# Altium PCB 400236.PcbDoc (part 3 of 5)
Units mm, origin at the board's own origin, x right, y up, seen from the top; angles counter-clockwise.
Board outline 136.53 x 63.5 mm, 4 copper layers (Top Layer, Mid-Layer 1, Mid-Layer 2, Bottom Layer), stack 1.505 mm thick; 340 components, 230 nets, 1369 pads, 1292 vias.
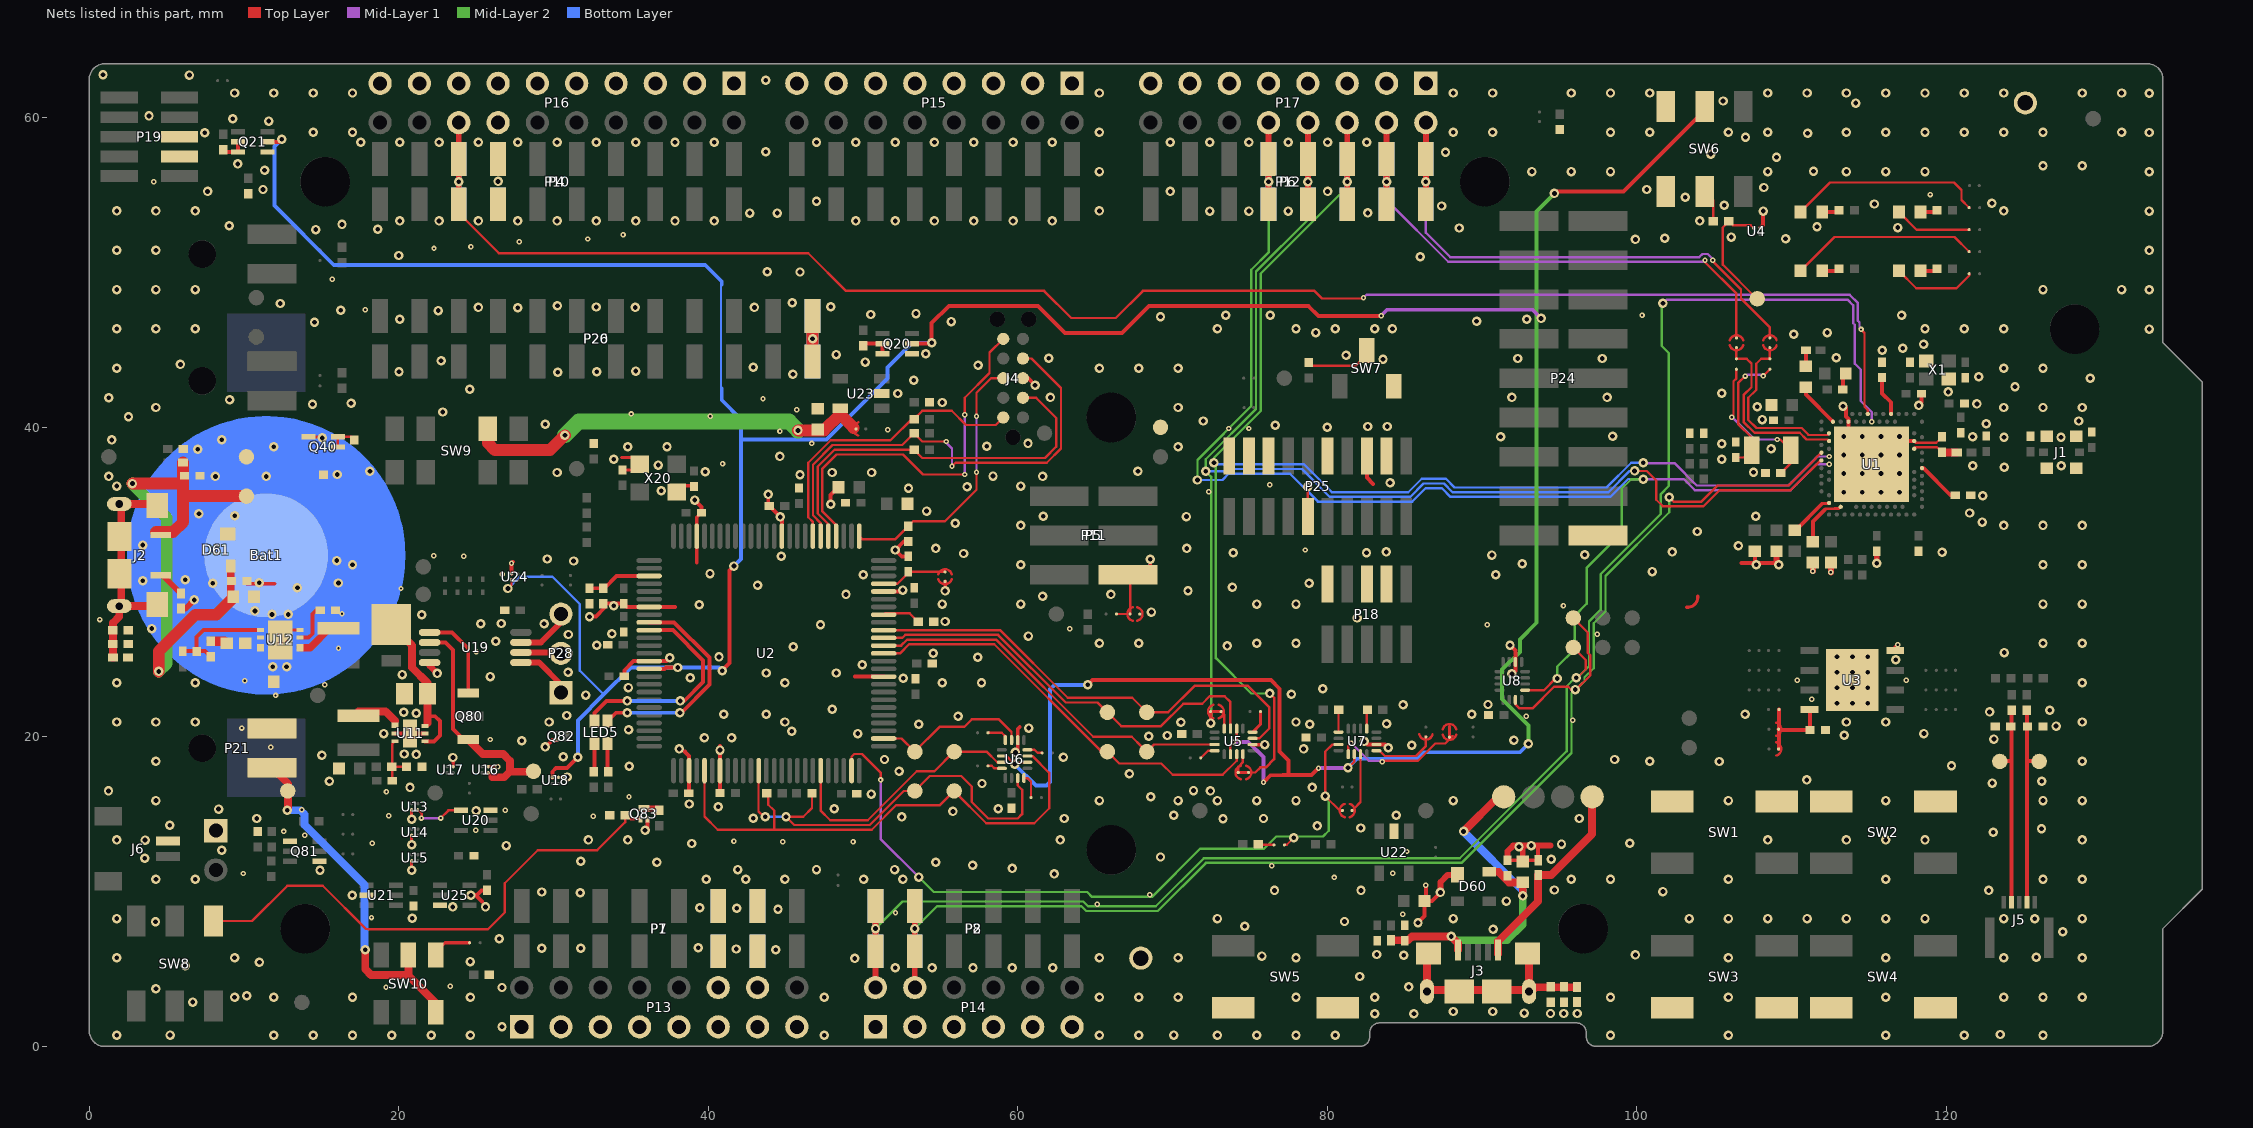
[diagram p5: the nets of this part, all layers, seen from the top]

## Via types
v1: diameter 0.61, hole 0.305, Top Layer to Bottom Layer, tented both sides, 1088 vias
v2: diameter 0.35, hole 0.15, Top Layer to Mid-Layer 1, tented both sides, 180 vias
v3: diameter 0.61, hole 0.305, Top Layer to Bottom Layer, 24 vias

## Nets (pads, with @x,y where several pads share a name; then routed paths per layer and width w, separated by ;. In a path a pad name is that pad's centre, name@x,y a point inside that pad or via, vN(x,y) a via of type N, cw(c..) or ccw(c..) an arc to the next point about the centre after c; other vN are vias at no path point) (continued)
GND: Bat1.2 C1.2 C2.2 C3.1 C4.1 C5.2 C6.2 C7.2 C8.2 C9.2 C10.1 C11.2 C12.2 C13.2 C14.2 C15.1 C16.2 C17.1 C18.1 C19.2 C20.2 C21.2 C22.2 C23.2 C24.1 C25.1 C26.1 C27.1 C28.1 C29.2 C30.2 C31.1 C32.2 C33.1 C34.1 C35.1 C36.1 C37.1 C38.1 C39.1 C40.1 C41.1 C42.1 C43.1 C44.1 C45.1 C46.2 C47.1 C48.1 C49.1 C50.1 C51.1 C52.2 C60.1 C61.1 C62.1 C63.2 C64.1 C65.1 C66.1 C67.1 C68.1 C69.1 C80.1 C82.1 C83.1 C84.1 C85.1 C86.1 C88.1 C89.1 C90.1 C91.1 C92.1 C93.1 D60.1 D61.1 FB62.2 FB63.2 FB64.2 FB65.2 J1.2 J4.3 J6.1 P1.6 P1.7 P4.7 P7.6 P7.7 P10.7 P13.1 P13.3 P13.5 P13.7 P13.9 P13.11 P13.12 P13.13 P13.14 P13.15 P14.1 P14.3 P14.5 P14.7 P14.9 P14.11 P15.1 P15.3 P15.5 P15.7 P15.9 P15.11 P15.13 P15.15 P16.1 P16.3 P16.5 P16.7 P16.9 P16.11 P16.13 P16.14 P16.15 P16.17 P16.19 P17.1 P17.3 P17.5 P17.7 P17.9 P17.11 P17.13 P17.15 P18.3 P18.5 P18.9 P19.3 P19.5 P21.1 P24.18 P25.3 P25.5 P25.9 P25.15 P25.17 P25.19 P27.1 Q20.1 Q21.1 Q40.1 Q81.1 Q81.4 Q82.2 Q83.2 R23.1 R25.1 R26.2 R27.1 R30.1 R40.2 R62.1 R63.1 R67.2 R81.1 R84.1 R85.2 R88.2 R92.2 R94.2 SB30.2 SB32.1 SW1.1 SW2.1 SW3.1 SW4.1 SW5.1 SW6.1 SW6.4 SW7.1 TP12.1 TP39.1 TP40.1 TP41.1 U1.74 U1.B7 U1.F23 U2.3 U2.7 U2.35 U2.46 U2.61 U2.72 U2.82 U2.89 U3.4 U3.9 U4.B1 U5.6 U6.6 U7.6 U8.6 U11.2 U11.5 U11.7 U12.4 U12.8 U12.9 U12.11 U13.B1 U14.B1 U15.B1 U16.B1 U17.B1 U18.B1 U19.4 U20.3 U21.2 U22.2 U23.2 U24.B1 U25.3 X1.2 X1.4 X20.2 X20.4 | length 91.7
  Top Layer w0.145: U1.F23@117.914,39.117 118.019,39.012 119.335,39.012 C3.1@119.715,39.393
  Top Layer w0.203: U12.11@12.344,25.984 U12.11@12.994,26.634 ; U12.11@12.994,26.914 U12.4@13.614,26.914 ; Q40.1@14.163,39.385 15.047,39.385 v3@15.062,39.37 ; v1(20.831,11.382) U15.B1@20.831,11.992 ; v1(20.831,13.033) U14.B1@20.831,13.643 ; v1(20.831,14.684) U13.B1@20.831,15.294 ; U17.B1@23.517,18.082 v1@23.517,18.691 ; U16.B1@25.778,18.082 v2(26.387,18.082) ; U18.B1@30.319,17.386 30.859,17.386 v1(30.884,17.412) ; 34.392,38.049 35.145,38.049 X20.2@35.575,37.619 35.21,37.254 C29.2@34.458,37.254 ; 103.207,28.382 ccw(c103.276,29.032) 103.927,29.1
  Top Layer w0.229: v1(43.866,35.67) 43.866,34.999 C34.1@43.94,34.925 ; v1(55.296,29.436) SB30.2@55.296,30.045 ; U5.6@75.157,19.507 v1(75.946,19.507)
  Top Layer w0.25: U11.2@19.751,20.218 U11.7@20.726,20.218 U11.5@21.701,20.218 ; U24.B1@27.283,30.553 v2(27.283,31.22) v2@27.381,31.318 ; v1(82.372,19.71) 82.572,19.51 U7.6@83.165,19.51 83.715,19.51 v1(83.922,19.304) ; P25.5@82.55,38.145 82.55,36.754 82.956,36.347 ; U4.B1@107.944,52.881 107.948,52.881 108.15,53.083 v1@108.15,53.997 ; v1@113.506,41.26 113.506,40.699 113.664,40.541 U1.B7@113.664,40.367 U1.74@113.664,39.117 ; U1.74@115.164,37.617 116.664,39.117 U1.F23@117.914,39.117
  Top Layer w0.254: C65.1@10.193,29.997 10.193,29.896 11.966,29.896 ; v1(24.663,9.779) 24.968,9.779 ; 25.375,9.373 24.968,9.779 ; C90.1@25.705,10.092 25.357,10.092 25.044,9.779 24.968,9.779 ; v1(29.464,19.355) 29.925,19.816 Q82.2@30.155,19.816 ; v1@32.451,27.788 32.731,27.788 33.289,28.346 33.289,28.608 C28.1@34.534,28.608 34.742,28.4 37.843,28.4 ; C25.1@34.604,23.9 C25.1@34.577,23.927 34.577,24.309 35.168,24.9 37.295,24.9 v1(37.516,25.121) ; v1(35.916,13.97) 36.064,14.119 Q83.2@36.064,14.687 ; X20.4@37.963,36.228 C30.2@39.081,36.228 ; 38.506,19.05 38.506,19.025 38.754,18.777 U2.3@38.754,17.825 ; C31.1@38.742,16.358 U2.3@38.742,17.813 ; v1(39.116,35.306) 39.555,34.867 C32.2@39.555,34.493 39.254,34.192 39.254,31.253 ; C33.1@40.75,16.383 40.754,16.388 U2.7@40.754,17.825 v1@40.754,19.418 ; C34.1@43.94,34.925 v1@44.6,34.265 ; U2.61@44.754,32.975 v1@44.754,34.055 ; v1(47.904,35.027) 47.904,35.635 C38.1@48.413,36.144 ; 49.481,23.9 U2.35@51.329,23.9 ; U2.46@51.329,29.4 52.479,29.4 v1(52.568,29.489) ; C44.1@52.924,31.666 52.5,31.666 v1(52.085,32.08) 52.627,32.622 R67.2@52.924,32.622 ; v1(59.842,18.999) 59.992,19.148 U6.6@59.992,19.792 59.992,20.52 60.122,20.65 ; J4.3@60.325,43.18 60.655,43.18 v1(61.112,42.723) ; v1(85.852,8.001) 86.273,8.422 C91.1@86.273,9.398 ; v2(86.36,10.414) 86.36,9.485 C91.1@86.273,9.398 ; v1(87.303,9.953) 86.748,9.398 C91.1@86.273,9.398 ; C62.1@91.632,12.032 92.544,12.032 FB62.2@93.65,12.032 ; v1(91.796,25.933) 92.148,25.581 U8.6@92.148,24.847 92.148,24.254 v1@91.973,24.079 ; FB62.2@93.614,12.033 93.614,12.979 ; 106.756,31.242 v1@109.093,31.242 ; C6.2@107.613,31.992 107.613,31.168 v1@107.664,31.117 ; C16.2@113.301,42.443 113.301,43.294 C15.1@113.489,43.481 ; U3.4@116.689,25.578 116.689,25.808 v2(116.84,25.959) ; v1(118.214,41.417) 118.389,41.592 C12.2@118.389,42.167
  Top Layer w0.381: FB63.2@5.933,28.304 6.231,28.304 v3(6.782,28.854) ; U19.4@21.993,24.806 21.993,24.591 v1(22.479,24.105) ; v1(87.303,9.953) 87.303,10.62 87.772,11.09 D60.1@88.402,11.09 ; C62.1@91.632,12.032 91.632,12.613 91.999,12.979 94.412,12.979 ; C61.1@92.544,12.032 C61.1@92.623,11.953 v1@92.623,12.979 ; C19.2@109.014,31.992 109.014,31.267 v1(109.164,31.117) ; v2@111.364,30.709 C20.2@111.364,31.267 ; v2@112.539,30.632 C21.2@112.539,31.267 ; C7.2@115.49,31.992 115.49,31.221 v1(115.494,31.217)
  Top Layer w0.635: R81.1@7.899,26.179 C83.1@8.76,26.179
  other v1: 1.772,0.723 11.932,0.723 14.472,0.723 17.012,0.723 19.552,0.723 22.092,0.723 24.632,0.723 47.492,0.723 65.272,0.723 67.812,0.723 72.892,0.723 75.432,0.723 77.972,0.723 80.512,0.723 98.292,0.723 105.912,0.723 116.072,0.723 121.152,0.723 126.232,0.723 5.223,0.737 70.079,0.737 123.463,0.774 26.67,1.27 83.052,2.12 85.592,2.12 94.412,2.134 95.275,2.134 96.139,2.134 92.71,2.159 88.138,2.261 90.678,2.261 6.696,2.87 9.392,3.187 11.932,3.187 17.012,3.187 24.632,3.187 47.492,3.187 65.272,3.187 67.812,3.187 70.352,3.187 77.972,3.187 83.052,3.187 98.292,3.187 105.912,3.187 116.072,3.187 123.692,3.187 126.232,3.187 128.772,3.187 10.185,3.277 4.309,3.734 26.67,3.81 85.261,3.847 82.093,4.521 52.07,5.08 54.458,5.08 57.099,5.08 59.639,5.08 62.255,5.08 6.214,5.207 10.998,5.436 24.613,5.486 49.454,5.69 1.772,5.727 9.392,5.727 65.272,5.727 70.352,5.727 77.972,5.727 105.912,5.727 116.072,5.727 123.692,5.727 128.772,5.727 125.806,5.766 75.768,5.842 84.938,5.893 99.898,5.918 83.185,5.944 44.348,6.248 41.808,6.299 29.235,6.35 31.75,6.35 39.345,6.375 26.492,6.96 127.508,7.417 90.703,7.569 74.651,7.772 4.283,8.052 81.102,8.077 1.772,8.267 72.892,8.267 88.132,8.267 103.372,8.267 105.912,8.267 108.452,8.267 110.992,8.267 113.532,8.267 116.072,8.267 118.612,8.267 123.692,8.267 125.705,8.255 128.772,8.267 20.879,8.28 44.501,8.865 41.834,8.941 39.446,8.966 23.495,9.017 25.603,9.017 91.567,9.398 16.993,9.779 31.725,9.931 29.235,9.982 101.676,10.008 76.581,10.084 82.169,10.084 122.733,10.084 94.666,10.109 4.312,10.807 6.852,10.807 39.872,10.807 42.412,10.807 44.952,10.807 50.032,10.807 52.572,10.807 95.752,10.807 98.292,10.807 105.912,10.807 116.072,10.807 126.232,10.807 128.772,10.807 62.357,11.151 14.91,11.379 41.91,11.43 46.99,11.43 52.032,11.43 59.639,11.506 57.074,11.709 36.678,11.897 54.686,11.913 31.75,11.963 94.463,12.09 3.581,12.167 69.215,12.243 8.56,12.675 92.38,12.903 26.949,12.979 93.167,12.979 95.123,13.081 38.938,13.117 99.543,13.132 1.772,13.347 3.607,13.335 32.252,13.347 34.792,13.347 62.732,13.347 108.452,13.347 113.532,13.347 116.072,13.347 118.612,13.347 128.772,13.347 123.012,13.843 126.136,14.072 82.149,14.115 79.35,14.249 5.207,14.3 73.254,14.707 10.82,14.732 42.901,14.742 62.992,14.732 75.87,14.732 96.266,14.732 52.502,14.834 70.079,14.935 84.455,14.935 55.804,15.189 24.994,15.24 8.357,15.342 48.133,15.367 58.725,15.367 40.64,15.494 38.772,15.666 4.312,15.887 65.272,15.887 70.352,15.887 72.892,15.887 75.432,15.887 77.972,15.887 88.132,15.887 105.912,15.887 116.072,15.887 126.232,15.887 128.772,15.887 68.58,16.129 50.521,16.307 1.245,16.51 72.441,16.51 71.349,16.535 20.726,16.739 79.019,16.739 57.683,16.993 122.961,17.018 15.519,17.145 126.162,17.145 110.973,17.221 67.208,17.628 52.324,17.78 34.9,18.11 120.32,18.136 4.312,18.427 100.832,18.427 105.308,18.415 128.772,18.427 51.384,18.542 98.552,18.542 23.499,18.673 62.941,18.694 30.632,18.72 15.037,18.821 21.133,18.872 20.345,18.898 40.754,19.152 38.115,19.228 78.461,19.228 85.446,19.456 27.94,19.761 92.05,19.787 123.063,19.863 39.751,19.939 41.504,19.939 68.453,20.041 69.647,20.091 113.386,20.117 19.025,20.218 49.647,20.218 118.542,20.218 45.392,20.365 34.849,20.472 60.706,20.574 127.076,20.701 53.594,20.828 78.867,20.828 83.82,20.853 1.772,20.967 4.312,20.967 6.852,20.967 29.712,20.967 44.952,20.967 70.536,20.955 77.972,20.967 113.532,20.967 116.072,20.967 128.772,20.967 56.134,21.336 30.861,21.387 40.996,21.463 43.739,21.463 89.332,21.463 106.985,21.463 21.133,21.539 20.32,21.59 122.784,21.615 126.67,21.717 48.006,21.793 84.887,22.073 90.373,22.098 112.919,22.173 113.919,22.173 114.919,22.173 32.08,22.708 77.673,22.758 79.705,23.114 112.919,23.173 113.919,23.173 114.919,23.173 34.839,23.19 1.772,23.507 6.852,23.507 44.952,23.507 55.112,23.507 57.652,23.507 128.772,23.507 52.593,23.8 38.837,23.825 25.908,23.901 20.218,24.028 91.923,24.079 43.739,24.13 48.26,24.13 112.919,24.173 113.919,24.173 114.919,24.173 30.937,24.181 49.952,24.663 116.713,24.994 57.404,25.146 40.691,25.171 112.919,25.173 113.919,25.173 114.919,25.173 54.526,25.41 123.723,25.451 45.494,25.826 73.533,25.883 32.791,25.933 65.272,26.047 67.812,26.047 75.432,26.047 77.972,26.047 126.232,26.047 128.772,26.047 26.264,26.187 60.681,26.518 30.963,26.619 33.772,26.67 47.246,27.248 25.298,27.305 29.388,27.305 26.619,27.331 55.296,27.457 81.915,27.686 32.324,27.762 21.488,27.889 68.631,28.067 33.899,28.473 39.421,28.55 55.112,28.587 60.192,28.587 75.432,28.587 77.972,28.587 126.232,28.587 128.772,28.587 61.595,29.083 48.895,29.21 66.015,29.21 70.993,29.439 73.863,29.667 43.18,29.794 78.816,29.921 50.013,30.48 90.881,30.48 40.107,30.556 100.99,30.683 17.012,31.127 60.192,31.127 107.714,31.117 126.232,31.127 128.772,31.127 92.583,31.191 31.293,31.369 29.591,31.496 44.719,31.674 90.627,31.75 96.622,31.775 56.49,31.852 73.914,31.902 82.525,31.902 119.71,31.928 83.795,31.953 102.286,31.953 54.686,32.182 70.917,32.182 106.553,32.36 103.886,33.274 60.192,33.667 123.692,33.667 126.232,33.667 128.772,33.667 55.956,33.807 122.301,33.884 44.643,34.214 70.891,34.239 107.68,34.258 61.646,34.265 121.488,34.468 54.102,34.595 122.339,35.592 113.364,35.817 114.564,35.817 115.764,35.817 116.964,35.817 36.957,35.916 52.934,36.068 56.718,36.17 1.772,36.207 60.192,36.207 84.049,36.424 1.27,36.83 61.595,36.83 58.395,36.855 45.923,36.932 113.364,37.017 114.564,37.017 115.764,37.017 116.964,37.017 30.226,37.084 47.996,37.084 50.546,37.084 107.528,37.103 39.802,37.135 67.759,37.17 123.739,37.416 121.689,37.517 127.422,37.517 36.769,37.567 33.899,37.948 105.486,37.948 44.628,38.125 113.364,38.217 114.564,38.217 115.764,38.217 116.964,38.217 108.664,38.617 11.932,38.747 34.792,38.747 37.332,38.747 70.352,38.747 57.988,38.786 105.486,38.938 60.655,38.964 1.448,39.192 123.714,39.367 127.397,39.367 91.186,39.395 113.364,39.417 114.564,39.417 115.764,39.417 116.964,39.417 121.681,39.395 98.425,39.421 79.985,40.005 82.601,40.056 83.871,40.056 76.632,40.132 29.464,40.206 122.57,40.234 71.984,40.411 128.549,40.411 108.087,40.506 2.54,40.691 22.835,40.996 4.312,41.287 70.352,41.287 123.692,41.287 126.232,41.287 128.772,41.287 107.764,41.342 113.313,41.368 14.427,41.504 121.964,41.517 16.916,41.554 55.109,41.61 9.068,41.783 1.27,41.91 62.103,41.935 91.923,41.935 98.069,41.935 52.248,42.189 105.486,42.215 120.114,42.292 24.587,42.469 124.426,42.617 53.264,43.053 129.286,43.18 122.089,43.267 45.466,43.434 30.277,43.561 20.015,43.586 32.791,43.586 35.306,43.637 1.772,43.827 65.272,43.827 67.812,43.827 70.352,43.827 123.692,43.827 126.232,43.827 42.901,43.891 57.429,44.018 5.893,44.069 50.14,44.221 22.733,44.298 83.591,44.399 92.304,44.45 97.765,44.45 62.001,44.475 112.878,44.501 81.204,44.653 48.26,44.704 54.042,44.759 115.845,44.992 117.164,45.117 118.516,45.364 110.134,46.025 79.248,46.126 112.293,46.126 1.772,46.367 4.312,46.367 6.852,46.367 72.892,46.367 77.972,46.367 80.512,46.367 83.052,46.367 118.612,46.367 121.152,46.367 123.692,46.367 133.096,46.355 84.201,46.38 14.554,46.787 55.702,46.838 89.637,46.863 20.066,46.99 92.888,46.99 69.215,47.142 73.431,47.244 76.302,47.244 117.094,47.244 50.495,47.295 53.416,47.356 22.555,47.549 16.256,47.574 27.686,47.727 25.146,47.752 35.281,47.752 42.977,47.752 32.766,47.777 47.904,47.803 30.251,47.854 12.344,48.006 45.415,48.057 1.772,48.907 4.312,48.907 6.852,48.907 126.232,48.907 131.312,48.907 133.096,48.895 45.923,50.038 43.815,50.063 86.004,51.029 19.99,51.105 1.772,51.447 4.312,51.447 133.096,51.435 99.898,52.146 109.601,52.197 101.803,52.222 106.096,52.299 14.63,52.781 18.644,52.807 88.519,52.883 116.84,52.908 111.633,52.959 9.042,53.035 16.332,53.111 20.066,53.34 22.606,53.34 25.146,53.34 27.686,53.34 30.226,53.34 32.766,53.34 35.306,53.34 37.846,53.34 40.386,53.34 49.53,53.34 52.07,53.34 54.61,53.34 57.15,53.34 59.69,53.34 62.23,53.34 104.064,53.34 42.672,53.848 44.45,53.848 82.601,53.858 1.772,53.987 4.312,53.987 6.852,53.987 65.272,53.987 72.39,53.975 74.93,53.975 77.47,53.975 108.15,53.975 123.692,53.987 133.096,53.975 87.376,54.305 105.639,54.356 115.341,54.432 122.936,54.483 46.99,54.61 103.124,54.864 7.645,55.245 69.85,55.245 80.01,55.245 11.227,55.372 100.635,55.372 108.204,55.499 26.416,55.89 65.272,56.527 93.212,56.527 95.752,56.527 98.292,56.527 108.452,56.527 113.532,56.527 116.072,56.527 118.612,56.527 133.096,56.515 111.404,56.54 11.328,56.617 126.232,56.908 128.772,56.908 9.601,57.023 109.017,57.455 104.775,57.658 87.63,57.785 43.713,57.81 17.551,58.42 20.066,58.42 22.606,58.42 25.146,58.42 27.686,58.42 30.226,58.42 32.766,58.42 35.306,58.42 37.846,58.42 40.386,58.42 46.99,58.42 49.53,58.42 52.07,58.42 54.61,58.42 57.15,58.42 59.69,58.42 62.23,58.42 69.85,58.42 72.39,58.42 74.93,58.42 77.47,58.42 80.01,58.42 82.55,58.42 107.01,58.75 111.023,59.004 7.467,59.03 14.472,59.067 17.012,59.067 65.272,59.067 88.132,59.067 90.672,59.067 98.292,59.067 100.832,59.067 105.912,59.067 108.452,59.067 113.532,59.067 116.072,59.067 118.612,59.067 121.152,59.067 123.692,59.067 126.232,59.067 131.312,59.067 133.096,59.055 11.608,59.792 9.271,59.944 3.861,60.122 114.144,60.957 105.562,61.087 9.392,61.607 11.932,61.607 14.472,61.607 17.012,61.607 65.272,61.607 88.132,61.607 90.672,61.607 95.752,61.607 98.292,61.607 100.832,61.607 108.452,61.607 110.992,61.607 113.532,61.607 116.072,61.607 118.612,61.607 121.152,61.607 123.692,61.607 128.772,61.607 131.312,61.607 133.096,61.595 43.713,62.433 6.477,62.763 0.889,62.789
  other v2: 19.177,3.835 23.325,3.886 18.237,8.331 84.861,8.534 52.095,8.636 65.126,9.195 68.529,9.804 80.442,10.922 9.957,11.176 84.226,11.201 76.403,11.684 85.141,12.598 18.288,13.132 44.806,13.233 49.352,13.233 41.656,13.259 13.919,13.64 12.573,13.894 24.968,13.97 32.563,14.884 19.355,14.91 26.873,15.265 13.741,15.291 34.874,16.129 19.202,16.459 11.735,19.329 25.908,19.837 9.855,20.574 95.86,21.082 92.837,21.336 111.303,22.428 12.04,22.682 15.215,23.368 10.058,23.622 110.363,23.673 117.399,23.673 24.994,25.502 16.104,25.73 97.434,26.634 63.348,27 90.322,27.254 0.686,27.584 16.332,27.965 95.25,28.473 20.142,29.591 26.68,30.505 112.522,30.632 111.354,30.709 24.206,31.674 22.25,31.699 78.562,32.08 72.339,35.839 76.276,36.297 40.919,37.643 46.685,38.964 44.628,39.751 51.587,39.853 73.635,39.929 74.93,39.929 40.132,40.716 35.027,40.869 45.72,41.148 43.536,41.859 100.33,47.244 17.831,47.6 15.697,49.581 22.276,51.562 24.663,51.664 27.788,51.994 32.207,52.172 34.493,52.451 118.948,55.042 4.166,55.88
  other v3: 11.862,24.536 12.751,24.536 4.039,27 11.811,27.915 12.852,27.915 10.708,28.144 13.452,29.642 7.976,29.921 10.988,29.959 16.104,29.947 3.454,30.084 6.212,30.151 16.002,31.394 3.454,32.395 9.398,34.3 7.087,34.427 8.153,36.83 11.43,36.83 16.027,36.957 18.136,37.16 7.01,38.583 8.56,39.202 15.062,39.319
I\F\_\O\F\F\: Q20.2 Q21.2 SW6.2 U2.90 U5.2 U5.10 U6.2 U6.10 U7.2 U18.B2 U24.B2 | length 259.6
  Top Layer w0.152: Q21.2@11.516,58.445 12.04,58.445 ; v1(27.051,29.591) 27.283,29.823 U24.B2@27.283,30.153 ; U6.10@58.967,18.767 59.26,18.767 59.66,18.367 U6.2@60.617,18.367 ; U5.2@73.732,18.882 73.732,19.478 v2(73.907,19.653) 74.132,19.878 U5.10@74.132,20.532 ; v1(81.331,18.009) 81.74,18.418 U7.2@81.74,18.885
  Top Layer w0.254: 12.04,58.445 12.268,58.445 v1(12.446,58.623) ; U18.B2@29.919,17.386 29.919,17.752 30.166,17.999 30.877,17.999 v1(31.572,18.694) ; U2.90@36.179,24.4 37.163,24.4 37.248,24.486 v1(38.024,24.486) ; v1(40.894,24.282) 41.377,24.765 41.377,30.759 v1(41.656,31.039) ; Q20.2@53.155,45.415 54.381,45.415 v1(54.432,45.466) 54.432,46.736 55.55,47.854 61.295,47.854 63.047,46.101 66.726,46.101 68.478,47.854 78.764,47.854 79.416,47.201 83.456,47.201 v2(83.469,47.214) ; v1(64.516,23.368) 64.823,23.675 76.35,23.675 76.913,23.112 76.913,19.048 77.495,18.466 77.495,17.533 ; v2(75.87,17.069) 76.327,17.526 77.128,17.526 77.135,17.533 77.495,17.533 ; v2(79.426,17.983) 78.976,17.533 77.495,17.533 ; v1(94.666,55.118) 94.793,55.245 99.129,55.245 SW6.2@104.369,60.484
  Mid-Layer 1 w0.254: v2@73.932,19.678 74.886,19.678 75.87,18.694 v2(75.87,17.069) ; v2(79.426,17.983) 81.305,17.983 v1(81.331,18.009) ; v2(83.469,47.214) 83.854,47.6 93.243,47.6 v1(93.802,47.041)
  Mid-Layer 2 w0.254: v1(92.989,19.558) 92.989,20.752 91.288,22.454 91.288,24.359 92.431,25.502 92.431,26.309 93.497,27.376 v1@93.497,47.041 ; v1(93.802,47.041) v1@93.497,47.041 ; v1(94.666,55.118) 93.497,53.95 v1@93.497,47.041
  Bottom Layer w0.152: v1(27.051,29.591) 27.805,30.345 29.929,30.345 31.699,28.575 31.699,24.272 33.238,22.733 ; 40.818,42.52 40.818,49.224
  Bottom Layer w0.254: v1(12.446,58.623) 11.963,58.141 11.963,54.331 15.799,50.495 39.802,50.495 40.869,49.428 40.869,49.224 ; v1(31.572,18.694) 31.572,21.067 33.238,22.733 34.991,24.486 v1(38.024,24.486) 40.691,24.486 v1(40.894,24.282) ; 40.869,42.52 40.869,41.758 42.113,40.513 42.113,39.268 ; v1(41.656,31.039) 42.113,31.496 42.113,39.268 ; v1(54.432,45.466) 53.162,45.466 51.575,43.878 51.575,43.149 47.643,39.218 42.164,39.218 42.113,39.268 ; v1(59.792,18.237) 61.163,16.866 61.849,16.866 62.078,17.094 62.078,23.089 62.357,23.368 v1(64.516,23.368) ; v1(81.331,18.009) 81.915,18.593 85.827,18.593 86.245,19.011 92.443,19.011 v1(92.989,19.558)
IMCU_BOOT: SB46.2 SB65.1 U2.24 U7.15 | length 48.6
  Top Layer w0.152: U2.24@49.254,17.825 49.254,18.723 49.428,18.898 49.936,18.898 51.13,17.704 v2(51.13,17.221) ; SB65.1@77.224,13.03 77.368,13.03 v1(77.826,13.487) ; v1(79.858,16.18) v1@79.865,16.172 ; v1@79.916,16.172 v1@80.035,16.172 ; U7.15@80.715,19.51 80.326,19.51 79.865,19.05 v1@79.865,16.172 ; SB46.2@80.968,15.24 80.797,15.24 80.793,15.244 v1@79.865,16.172
  Mid-Layer 1 w0.152: v2(51.13,17.221) 51.13,13.411 v1(53.594,10.947)
  Mid-Layer 2 w0.152: v1(53.594,10.947) 54.559,9.982 64.478,9.982 64.794,9.667 68.659,9.667 71.768,12.776 75.903,12.776 76.69,13.564 79.706,13.564 80.086,13.944 80.086,15.951 v1(79.858,16.18)
IMCU_CTS: TP1.1 U2.38 U5.3 | length 27
  Top Layer w0.152: U2.38@51.329,25.4 52.389,25.4 52.973,25.984 53.67,25.984 58.471,25.984 TP1.1@65.405,19.05 ; TP1.1@65.786,19.05 66.548,18.288 69.266,18.288 70.002,17.551 73.228,17.551 74.139,18.463 U5.3@74.139,18.885
IMCU_RESET: J4.10 R66.1 U2.57 | length 19.4
  Top Layer w0.152: U2.57@46.754,32.975 46.754,33.894 46.457,34.192 46.457,37.717 47.907,39.167 51.773,39.167 R66.1@53.221,40.615 ; R66.1@53.297,40.538 53.831,41.072 55.726,41.072 56.64,40.157 58.572,40.157 J4.10@59.055,40.64
IMCU_RTS: TP3.1 U2.39 U5.15 | length 24.3
  Top Layer w0.152: U2.39@51.329,25.9 52.458,25.9 52.848,26.29 53.035,26.29 56.972,26.29 56.974,26.289 58.597,26.289 64.871,20.015 67.361,20.015 TP3.1@67.988,19.388 ; TP3.1@68.326,19.05 68.786,19.51 U5.15@72.714,19.51
IMCU_RXD: TP2.1 U2.40 U5.11 | length 27.6
  Top Layer w0.152: U2.40@51.329,26.4 52.527,26.4 52.722,26.595 58.722,26.595 63.092,22.225 65.151,22.225 TP2.1@65.786,21.59 66.675,20.701 69.247,20.701 70.695,22.149 71.907,22.149 72.39,22.631 73.355,22.631 73.732,22.254 U5.11@73.732,20.532
IMCU_TCKS: J4.4 R65.1 U2.56 | length 30.9
  Top Layer w0.152: U2.56@47.254,32.975 47.254,33.825 46.761,34.318 46.761,37.59 48.033,38.862 52.531,38.862 53.293,39.624 53.827,39.091 v2@55.397,39.091 ; v2(55.745,37.49) 55.974,37.719 61.87,37.719 62.786,38.635 62.786,42.547 60.884,44.45 J4.4@60.325,44.45
  Mid-Layer 1 w0.152: v2@55.397,39.091 55.397,38.989 55.745,38.641 v2(55.745,37.49)
  other v2: 55.372,39.091
IMCU_TDIS: J4.8 R67.1 U2.51 | length 17.4
  Top Layer w0.152: U2.51@49.754,32.975 49.963,32.766 52.068,32.766 R67.1@52.924,33.622 53.236,33.934 55.296,33.934 57.328,35.966 v2(57.328,37.109) ; v2(57.328,40.716) 57.328,42.241 58.267,43.18 J4.8@59.055,43.18
  Mid-Layer 1 w0.152: v2(57.328,37.109) v2(57.328,40.716)
IMCU_TDOS: J4.6 U2.54 | length 24.6
  Top Layer w0.152: U2.54@48.254,32.975 48.254,33.687 47.371,34.571 47.371,37.338 48.285,38.252 52.578,38.252 53.873,36.957 v2(56.566,36.957) ; v2@56.566,40.767 56.566,41.91 58.166,43.51 58.166,44.831 J4.6@59.055,45.72
  Mid-Layer 1 w0.152: v2(56.566,36.957) v2@56.566,40.767
  other v2: 56.566,40.818
IMCU_TMSS: J4.2 R64.1 U2.55 | length 25.7
  Top Layer w0.152: U2.55@47.754,32.975 47.754,33.756 47.066,34.444 47.066,37.464 48.159,38.557 53.293,38.557 53.827,38.024 61.747,38.024 62.484,38.76 62.484,40.604 61.178,41.91 J4.2@60.325,41.91
IMCU_TXD: TP4.1 U2.41 U5.7 | length 31.1
  Top Layer w0.152: U2.41@51.329,26.9 58.848,26.9 63.218,22.53 67.386,22.53 TP4.1@68.326,21.59 69.705,21.59 71.434,23.319 74.826,23.319 76.251,21.895 76.251,20.566 75.592,19.907 U5.7@75.157,19.907
N\R\F\_\O\N\L\Y\: R3.1 TP22.1 U4.B2 | length 7.9
  Top Layer w0.152: U4.B2@107.544,52.876 107.357,53.063 106.187,53.063 R3.1@105.935,53.315 105.537,52.916 105.537,50.516 107.743,48.311 TP22.1@107.772,48.311
NetC3_2: C3.2 L1.1 U1.H23 | length 2.9
  Top Layer w0.145: U1.H23@117.914,38.617 118.019,38.722 119.384,38.722 119.718,38.388 C3.2@119.723,38.383
  Top Layer w0.508: C3.2@119.718,38.388 L1.1@120.612,38.388
NetC9_1: C9.1 U1.N24 | length 2.9
  Top Layer w0.25: U1.N24@118.414,37.367 118.5,37.367 120.25,35.617 C9.1@120.564,35.617
NetC13_1: C13.1 U1.A18 | length 2.6
  Top Layer w0.25: C13.1@115.839,43.217 115.839,42.2 116.414,41.625 U1.A18@116.414,40.867
NetC17_2: C17.2 SB2.1 X2.1 | length 8.3
  Top Layer w0.152: C17.2@106.385,38.05 106.921,38.05 107.421,38.55 107.421,39.34 106.537,40.224 106.537,42.86 v2(106.995,43.317) ; v2@107.02,43.317 v2@107.045,43.291 ; v2(108.153,43.325) SB2.1@108.585,43.757
  Mid-Layer 1 w0.152: v2@107.104,43.401 108.077,43.401 v2(108.153,43.325)
NetC18_2: C18.2 SB1.1 X2.2 | length 9.6
  Top Layer w0.152: v2(106.121,40.665) 106.24,40.784 106.24,42.983 106.426,43.169 SB1.1@106.426,43.757 ; v2(109.068,39.218) 109.254,39.218 109.921,38.55 X2.2@109.921,38.525 109.921,37.675 C18.2@109.298,37.052
  Mid-Layer 1 w0.152: v2@106.147,40.665 107.594,39.218 v2(109.068,39.218)
NetC20_1: C20.1 U1.AC5 | length 3.6
  Top Layer w0.184: C20.1@111.354,32.614 C20.1@111.354,32.617 ; 112.062,34.608 112.202,34.747 112.254,34.747 112.258,34.743 112.749,34.743 112.755,34.749 113.045,34.749 U1.AC5@113.164,34.867
  Top Layer w0.254: C20.1@111.364,32.617 111.364,33.909 112.112,34.657
NetC27_2: C27.2 R25.2 U2.78 | length 4.1
  Top Layer w0.254: C27.2@32.4,29.608 33.289,29.608 34.081,30.4 U2.78@36.179,30.4
NetC44_2: C44.2 SB30.1 U2.47 | length 4.3
  Top Layer w0.152: U2.47@51.329,29.9 52.214,29.9 52.924,30.609 C44.2@52.924,30.666 54.939,30.666 55.291,30.666 SB30.1@55.296,30.67
NetC49_2: C49.2 SB16.2 SB17.2 SB18.2 U3.8 | length 6
  Top Layer w0.254: SB18.2@109.177,19.228 SB16.2@109.177,21.768 ; SB17.2@109.177,20.523 SB17.2@109.151,20.498 109.202,20.447 C49.2@111.168,20.447 ; U3.8@111.149,21.768 111.168,21.749 C49.2@111.168,20.447 ; C49.2@111.184,20.447 C49.2@111.168,20.447
NetC60_2: C60.2 C61.2 C62.2 D60.4 FB60.1 J3.1 TP15.1 | length 24.3
  Top Layer w0.508: FB60.1@84.106,6.866 85.224,6.866 85.471,7.113 v1(88,7.113) 88.429,6.684 J3.1@88.429,6.232 ; v1(88.798,13.894) TP15.1@91.034,16.129 ; D60.4@90.452,11.29 91.047,11.29 91.733,10.603 C61.2@92.623,10.603 v1(92.623,9.728)
  Mid-Layer 2 w0.508: v1(88,7.113) 88.253,6.86 91.595,6.86 92.623,7.889 v1(92.623,9.728)
  Bottom Layer w0.508: v1(88.798,13.894) 92.623,10.069 v1(92.623,9.728)
NetC63_1: C63.1 C64.2 C65.2 D61.4 FB61.1 J2.1 TP11.1 | length 36.3
  Top Layer w0.508: C64.2@9.144,28.905 D61.4@9.144,31.055
  Top Layer w0.762: v1(2.794,36.373) 5.781,36.373 6.06,36.093 ; J2.1@4.318,33.233 5.41,33.233 6.06,33.884 6.06,35.56 ; v1(4.496,24.232) 4.496,25.538 6.86,27.902 8.217,27.902 C64.2@9.297,28.981 ; FB61.1@6.06,37.734 6.06,36.093 ; TP11.1@10.16,35.56 6.06,35.56 ; 6.06,35.56 6.06,36.093
  Mid-Layer 2 w0.762: v1(2.794,36.373) 5.004,34.163 5.004,24.74 v1(4.496,24.232)
NetC66_2: C66.2 FB64.1 J3.6@86.429,3.557 J3.6@86.529,6.007 J3.6@88.529,3.557 J3.6@90.929,3.557 J3.6@92.929,6.007 J3.6@93.029,3.557 R62.2 | length 14.7
  Top Layer w0.508: J3.6@86.427,6.003 86.427,3.653 J3.6@93.027,3.653 ; J3.6@93.027,3.399 cw(c93.331,3.399) J3.6@93.029,3.434 ; J3.6@93.029,3.303 J3.6@93.029,3.434 ; J3.6@93.029,3.688 J3.6@93.029,6.003 ; J3.6@93.331,3.703 ccw(c93.331,3.399) J3.6@93.029,3.434 ; J3.6@93.331,3.83 FB64.1@96.12,3.83
NetC67_2: C67.2 FB65.1 J2.6@1.944,28.45 J2.6@1.944,30.55 J2.6@1.944,32.95 J2.6@1.944,35.05 J2.6@4.394,28.55 J2.6@4.394,34.95 R63.2 | length 15.1
  Top Layer w0.508: FB65.1@1.546,25.139 1.546,27.378 1.944,27.776 J2.6@1.944,28.45 ; J2.6@2.087,28.434 J2.6@2.071,28.45 ; J2.6@4.521,28.55 4.421,28.45 J2.6@2.071,28.45 ; J2.6@4.521,34.95 4.421,35.05 2.071,35.05 J2.6@2.071,28.45
NetC81_1: C81.1 R80.1 R81.2 U12.7 | length 7.2
  Top Layer w0.254: C81.1@6.045,25.544 R80.1@6.934,25.544 ; R80.1@6.934,25.519 R80.1@6.934,25.544 ; R81.2@7.849,25.179 7.484,25.544 R80.1@6.934,25.544 ; U12.7@11.074,26.914 7.381,26.914 6.934,26.467 R80.1@6.934,25.544
NetC84_2: C84.2 U12.3 | length 2.8
  Top Layer w0.254: U12.3@13.614,26.414 14.175,26.414 14.427,26.666 14.427,27.936 14.685,28.194 C84.2@14.918,28.194
NetC86_2: C86.2 D84.3 U11.4 U11.6 | length 10.3
  Top Layer w0.25: 21.856,21.184 21.857,21.182 21.871,21.168
  Top Layer w0.254: U11.4@21.701,19.718 22.284,19.718 22.657,20.091 22.657,21.031 22.352,21.336 21.857,21.336
  Top Layer w0.508: D84.3@19.507,27.268 20.862,25.914 20.862,24.477 21.857,23.482 C86.2@21.857,22.784 ; 21.857,20.906 21.857,21.182 21.857,21.336 C86.2@21.857,22.76
NetC87_1: C87.1 R82.1 R84.2 U11.3 | length 3.6
  Top Layer w0.152: R82.1@19.55,18.085 R82.1@19.575,18.085 ; C87.1@19.575,17.17 R82.1@19.575,18.085 ; U11.3@19.751,19.718 19.575,19.542 R82.1@19.575,18.085 ; R84.2@20.506,18.085 R82.1@19.575,18.085
NetC92_2: C92.2 SB81.2 SW9.7 U23.5 | length 26.8
  Top Layer w0.762: SW9.7@25.749,39.906 25.749,38.996 26.213,38.532 29.769,38.532 v1(30.734,39.497) ; v1(45.796,39.802) 47.473,39.802 48.51,40.839 ; U23.5@48.51,41.123 48.51,40.839 ; 49.387,39.963 48.51,40.839
  Mid-Layer 2 w1.016: v1(30.734,39.497) 31.623,40.386 45.212,40.386 v1(45.796,39.802)
NetFB62_1: FB62.1 J3.5 TP16.1 | length 13.2
  Top Layer w0.508: J3.5@91.029,5.978 91.029,6.803 93.614,9.387 FB62.1@93.614,11.083 94.457,11.083 97.104,13.73 TP16.1@97.104,16.129
NetFB63_1: FB63.1 J2.5 | length 1.8
  Top Layer w0.381: J2.5@4.619,30.45 4.737,30.45 FB63.1@5.933,29.254
NetL2_1: L2.1 L3.2 | length 1.1
  Top Layer w0.25: L2.1@110.914,43.942 L3.2@110.914,44.992
NetL2_2: L2.2 U1.B3 | length 2.9
  Top Layer w0.25: L2.2@110.914,42.592 110.914,42.117 U1.B3@112.664,40.367
NetL4_2: L4.2 U1.AB2 | length 3.1
  Top Layer w0.203: 111.957,35.063 111.98,35.087 112.383,35.087 U1.AB2@112.414,35.117
  Top Layer w0.25: L4.2@110.189,33.342 L4.2@110.236,33.342 ; L4.2@110.33,33.342 L4.2@110.236,33.342 ; 111.957,35.063 L4.2@110.236,33.342
NetL80_1: L80.1 U12.2 | length 3
  Top Layer w0.457: U12.2@13.614,25.764 14.283,25.764 15.553,27.033 L80.1@16.104,27.033
NetL81_1: L81.1 U11.1 | length 2.6
  Top Layer w0.508: L81.1@17.399,21.649 19.151,21.649 19.751,21.048
NetLED1_1: LED1.1 SB5.2 | length 12.7
  Top Layer w0.152: LED1.1@110.575,53.917 112.48,55.822 120.479,55.822 120.965,55.337 120.965,54.696 SB5.2@121.464,54.197
NetLED1_2: LED1.2 R47.1 | length 1.1
  Top Layer w0.254: LED1.2@111.972,53.917 112.932,53.917 R47.1@113.059,54.044
NetLED2_1: LED2.1 SB6.2 | length 5
  Top Layer w0.152: LED2.1@116.925,53.917 118.067,52.774 120.968,52.774 SB6.2@121.464,52.774
NetLED2_2: LED2.2 R48.1 | length 1.1
  Top Layer w0.254: LED2.2@118.322,53.917 119.257,53.917 R48.1@119.384,54.044
NetLED3_1: LED3.1 SB7.2 | length 12.2
  Top Layer w0.152: LED3.1@110.575,50.107 112.766,52.299 120.517,52.299 SB7.2@121.464,51.352
NetLED3_2: LED3.2 R50.1 | length 1.1
  Top Layer w0.254: LED3.2@111.972,50.107 112.932,50.107 R50.1@113.059,50.234
NetLED4_1: LED4.1 SB8.2 | length 5.5
  Top Layer w0.152: LED4.1@116.925,50.107 118.042,48.99 120.643,48.99 121.464,49.81 SB8.2@121.464,49.93
NetLED4_2: LED4.2 R51.1 | length 1.1
  Top Layer w0.254: LED4.2@118.322,50.107 119.257,50.107 R51.1@119.384,50.234
NetLED5_1: LED5.1 R20.1 | length 1.8
  Top Layer w0.254: R20.1@32.636,17.747 LED5.1@32.636,19.57
NetLED5_2: LED5.2 R21.1 | length 1.8
  Top Layer w0.254: R21.1@33.486,17.747 LED5.2@33.486,19.57
NetP5_6: P5.6 P11.6 SB32.2 SB33.1 | length 5.2
  Top Layer w0.152: SB33.1@66.378,27.94 67.077,27.94 ; P5.6@67.119,30.48 67.252,30.348 67.252,28.293 SB32.2@67.252,27.94
  Top Layer w0.254: P5.6@68.555,30.531 v1(68.555,31.481)
  Bottom Layer w0.254: P11.6@68.555,30.531 v1(68.555,31.481)
NetP20_12: P20.12 P26.12 | length 5.9
  Top Layer w0.762: P20.12@46.736,44.255 P20.12@46.736,47.185
  Bottom Layer w0.762: P26.12@46.736,44.255 v1(46.736,45.72) P26.12@46.736,47.185
NetP21_2: P21.2 SW10.2 SW10.4 TP27.1 | length 23.4
  Top Layer w0.508: P21.2@11.811,18.009 12.852,16.967 12.852,15.316 v1(12.802,15.265) ; v1(17.831,6.248) 17.831,5.004 18.212,4.623 20.574,4.623 ; SW10.2@20.625,5.914 20.625,4.674 20.574,4.623 ; SW10.4@22.375,2.214 22.375,2.822 20.574,4.623
  Bottom Layer w0.508: v1(12.802,15.265) 13.64,15.265 13.919,14.986 13.919,14.305 17.78,10.444 17.78,6.299 v1(17.831,6.248)
NetP28_1: P28.1 U19.5 | length 3.7
  Top Layer w0.381: U19.5@27.893,24.806 29.067,24.806 30.48,23.393 P28.1@30.48,22.86
NetP28_2: P28.2 U19.6 | length 2.6
  Top Layer w0.381: U19.6@27.893,25.456 30.424,25.456 P28.2@30.48,25.4
NetP28_3: P28.3 U19.7 | length 3.7
  Top Layer w0.381: U19.7@27.893,26.106 29.179,26.106 30.48,27.407 P28.3@30.48,27.94
NetQ20_5: Q20.5 Q20.6 R22.2 | length 2
  Top Layer w0.254: R22.2@49.996,45.271 50.14,45.415 Q20.5@51.255,45.415 Q20.6@51.255,44.765
NetQ21_5: Q21.5 Q21.6 R24.2 | length 1.7
  Top Layer w0.254: R24.2@8.661,57.945 8.811,57.795 Q21.6@9.616,57.795 Q21.5@9.616,58.445
NetQ40_5: Q40.5 Q40.6 R41.2 | length 1.8
  Top Layer w0.152: Q40.5@16.063,38.735 Q40.6@16.063,39.385 16.919,39.385 R41.2@17.12,39.184
NetQ80_1: Q80.1 U19.1 | length 5.6
  Top Layer w0.254: U19.1@22.196,26.756 23.434,26.756 24.489,25.701 Q80.1@24.489,22.836
NetQ80_3: Q80.3 TP34.1 U16.A1 U19.2 | length 15
  Top Layer w0.25: U16.A1@25.778,17.682 26.065,17.394
  Top Layer w0.254: U19.2@22.196,26.106 23.018,26.106 23.51,25.614 23.51,20.509 24.182,19.836 Q80.3@24.489,19.836
  Top Layer w0.508: Q80.3@24.489,19.836 25.427,18.898 26.746,18.898 27.178,18.466 27.178,17.755 ; 26.065,17.394 26.818,17.394 27.178,17.755 ; TP34.1@28.651,17.856 28.55,17.755 27.178,17.755
NetQ83_1: Q83.1 R94.1 SW8.4 | length 34.1
  Top Layer w0.152: SW8.4@8.028,8.109 10.522,8.109 12.802,10.389 15.088,10.389 17.882,7.595 18.001,7.595 18.026,7.569 25.756,7.569 26.851,8.664 26.851,10.544 28.981,12.675 32.817,12.675 34.638,14.495 R94.1@34.638,14.935 ; R94.1@34.714,14.961 34.988,14.687 Q83.1@35.614,14.687
NetQ83_3: Q83.3 R93.2 | length 1
  Top Layer w0.381: Q83.3@35.839,15.387 36.701,15.387 R93.2@36.83,15.257
NetR3_2: R3.2 SW6.5 | length 2.2
  Top Layer w0.152: SW6.5@104.369,55.238 104.935,54.671 R3.2@104.935,53.315
NetR4_2: R4.2 SW7.2 | length 4.4
  Top Layer w0.152: R4.2@78.791,44.188 78.985,43.994 81.84,43.994 82.55,44.704 SW7.2@82.55,44.965
NetR30_2: R30.2 U2.43 | length 2.5
  Top Layer w0.152: U2.43@51.329,27.9 51.42,27.991 53.008,27.991 R30.2@53.567,27.432
NetR49_1: R49.1 SB65.2 | length 1
  Top Layer w0.152: R49.1@75.532,13.081 75.582,13.03 SB65.2@76.548,13.03
NetR52_2: R52.2 U7.9 | length 1.2
  Top Layer w0.152: U7.9@82.54,20.535 R52.2@82.54,21.742
NetR53_2: R53.2 U7.13 | length 1.5
  Top Layer w0.152: U7.13@80.715,20.31 R53.2@80.715,21.768
NetSB42_1: SB42.1 U7.1 | length 8.6
  Top Layer w0.152: U7.1@81.34,18.885 81.34,19.415 v2(81.534,19.609) ; v2(83.541,18.39) 83.617,18.466 85.851,18.466 86.965,19.58 87.608,19.58 88.087,20.058
  Mid-Layer 1 w0.152: v2(81.534,19.609) 82.677,18.466 83.464,18.466 v2(83.541,18.39)
NetSB45_1: SB45.1 U7.5 | length 4.2
  Top Layer w0.152: U7.5@83.165,19.11 83.361,19.11 83.701,18.771 85.725,18.771 86.36,19.406 86.36,19.833 SB45.1@86.36,20.008
NetSB46_1: SB46.1 U7.3 | length 3.9
  Top Layer w0.152: SB46.1@81.592,15.24 81.741,15.389 82.14,15.788 U7.3@82.14,18.885
NetSB50_2: SB50.2 U5.16 | length 1.1
  Top Layer w0.152: SB50.2@71.813,18.644 72.28,19.11 U5.16@72.714,19.11
NetSB51_2: SB51.2 U5.4 | length 1.3
  Top Layer w0.152: SB51.2@74.237,17.704 74.237,18.077 74.539,18.38 U5.4@74.539,18.885
NetSB52_2: SB52.2 U5.8 | length 1.6
  Top Layer w0.152: U5.8@75.157,20.307 U5.8@75.164,20.314
  Top Layer w0.203: U5.8@75.164,20.31 75.164,20.314 75.674,20.824 SB52.2@75.674,21.641
NetSB53_2: SB53.2 U5.12 | length 1.2
  Top Layer w0.152: SB53.2@73.134,21.641 73.332,21.443 U5.12@73.332,20.532
NetSB54_2: SB54.2 U6.16 | length 1.6
  Top Layer w0.152: U6.16@60.392,17.342 60.628,17.342 60.851,17.119 SB54.2@60.851,16.078
NetSB55_2: SB55.2 U6.4 | length 1
  Top Layer w0.152: U6.4@60.617,19.167 61.071,19.167 61.265,18.974 SB55.2@61.562,18.974
NetSB56_2: SB56.2 U6.8 | length 1.5
  Top Layer w0.152: SB56.2@58.072,20.269 58.953,20.269 59.192,20.031 U6.8@59.192,19.792
NetSB57_2: SB57.2 U6.12 | length 1
  Top Layer w0.152: SB57.2@58.072,18.136 58.318,18.136 58.487,17.967 U6.12@58.967,17.967 U6.12@58.967,17.937
NetSB58_2: SB58.2 SW10.1 | length 2.6
  Top Layer w0.203: SW10.1@22.375,5.914 22.375,6.093 22.987,6.706 SB58.2@24.58,6.706
NetU13_B2: U13.B2 U20.4 | length 3.4
  Top Layer w0.152: U13.B2@21.231,15.294 21.488,15.037 v2@21.488,14.757 ; v2(22.708,14.757) 23.205,15.255 U20.4@24.018,15.255
  Mid-Layer 1 w0.152: v2(21.463,14.757) v2(22.708,14.757)
NFC1: C46.1 J5.2 R44.1 TP17.1 | length 12.9
  Top Layer w0.25: TP17.1@123.479,18.44 124.198,18.44 ; J5.2@124.198,9.328 124.198,18.44 ; R44.1@124.198,21.463 124.198,18.44
NFC2: C47.2 J5.4 R46.1 TP18.1 | length 12.8
  Top Layer w0.25: J5.4@125.198,9.328 125.198,18.44 ; R46.1@125.198,21.463 125.198,18.44 ; TP18.1@125.909,18.44 125.198,18.44
OB_LED1: LED5.4 U2.84 | length 14.1
  Top Layer w0.254: LED5.4@33.486,21.02 34.031,21.565 v1(34.763,21.565) ; U2.84@36.179,27.4 37.792,27.4 40.071,25.121 40.071,23.38 38.256,21.565 v1(38.166,21.565)
  Bottom Layer w0.254: v1(34.763,21.565) v1(38.166,21.565)
OB_LED2: LED5.3 U2.85 | length 14.1
  Top Layer w0.254: LED5.3@32.636,21.02 32.636,21.546 33.416,22.327 v1(34.763,22.327) ; U2.85@36.179,26.9 37.717,26.9 39.665,24.952 39.665,23.548 38.443,22.327 v1(38.192,22.327)
  Bottom Layer w0.254: v1(34.763,22.327) v1(38.192,22.327)
OB_RESET: TP7.1 U2.27 U6.7 | length 10.3
  Top Layer w0.152: U2.27@51.329,19.9 52.49,19.9 TP7.1@53.34,19.05 54.94,20.65 56.54,20.65 57.023,21.133 58.776,21.133 59.592,20.317 U6.7@59.592,19.792
OB_SWDCLK: R28.2 TP6.1 U2.5 U6.3 | length 34.6
  Top Layer w0.152: U2.5@39.754,17.825 39.754,14.856 40.604,14.006 44.256,14.006 ; R28.2@43.772,16.358 43.875,16.255 43.875,15.621 44.256,15.24 44.256,14.006 ; U6.3@60.617,18.767 60.938,18.767 62.027,17.678 62.027,15.392 61.062,14.427 57.963,14.427 TP6.1@55.88,16.51 54.966,15.596 52.145,15.596 50.555,14.006 44.256,14.006
OB_SWDIO: R29.2 TP5.1 U2.12 U6.15 | length 28.5
  Top Layer w0.152: U2.12@43.254,17.825 43.244,17.814 43.244,15.176 43.576,14.844 v1(43.678,14.844) ; R29.2@46.703,16.358 46.703,15.41 46.137,14.844 v1(45.018,14.844) 45.551,14.31 50.428,14.31 52.628,16.51 TP5.1@53.34,16.51 54.305,17.475 56.337,17.475 57.023,16.789 57.023,15.798 58.089,14.732 59.995,14.732 60.274,15.011 60.274,16.588 59.992,16.87 U6.15@59.992,17.342
  Bottom Layer w0.152: v1(43.678,14.844) v1(45.018,14.844)
OB_SWO: TP8.1 U2.20 U6.11 | length 16.7
  Top Layer w0.152: U2.20@47.254,17.825 47.254,15.24 47.879,14.615 50.302,14.615 53.467,17.78 54.61,17.78 TP8.1@55.88,19.05 57.983,19.05 58.665,18.367 U6.11@58.967,18.367
P0.00: P6.1 P12.1 P17.2 SB4.2 | length 37.6
  Top Layer w0.152: v2@104.851,50.775 106.723,48.902 106.723,48.318 108.585,46.457 108.585,45.953 SB4.2@108.585,45.778
  Top Layer w0.381: P6.1@86.36,54.415 v1(86.36,55.88) P6.1@86.36,57.345 P17.2@86.36,59.69
  Mid-Layer 1 w0.152: v1(86.36,55.88) 86.36,52.577 87.934,51.003 104.026,51.003 104.227,51.204 104.578,51.204 104.902,50.879 v2(104.902,50.8) ; v2@104.851,50.775 v2@104.851,50.8
  Bottom Layer w0.381: P12.1@86.36,54.415 v1(86.36,55.88) P12.1@86.36,57.345
P0.00/XL1: SB2.2 SB4.1 U1.D2 | length 11.2
  Top Layer w0.145: 111.1,39.512 112.309,39.512 U1.D2@112.414,39.617
  Top Layer w0.152: SB4.1@108.585,45.154 108.585,44.432 108.029,44.432 107.703,44.107 107.703,42.418 107.195,41.91 107.195,40.479 107.716,39.958 110.642,39.958 111.077,39.523
P0.01: P6.2 P12.2 P17.4 SB3.2 | length 37.4
  Top Layer w0.152: v2(104.394,50.8) 104.394,50.673 106.426,48.641 106.426,45.953 SB3.2@106.426,45.778
  Top Layer w0.381: P6.2@83.82,54.415 v1(83.82,55.88) P6.2@83.82,57.345 P17.4@83.82,59.69
  Mid-Layer 1 w0.152: v1(83.82,55.88) 83.82,54.686 87.808,50.698 v2@104.318,50.698
  Bottom Layer w0.381: P12.2@83.82,54.415 v1(83.82,55.88) P12.2@83.82,57.345
P0.01/XL2: SB1.2 SB3.1 U1.F2 | length 11.9
  Top Layer w0.145: 110.922,39.222 112.309,39.222 U1.F2@112.414,39.117
  Top Layer w0.152: SB3.1@106.426,45.154 SB1.2@106.426,44.432 107.086,44.432 107.399,44.12 107.399,42.596 106.891,42.088 106.891,40.353 107.59,39.654 110.516,39.654 110.922,39.248 110.922,39.222
P0.02/AIN0: P4.8 P10.8 P16.16 U1.A12 | length 111.2
  Top Layer w0.152: P4.8@23.876,54.415 23.876,53.848 26.467,51.257 46.455,51.257 48.894,48.819 61.694,48.819 63.447,47.066 66.326,47.066 68.079,48.819 79.164,48.819 79.65,48.332 82.289,48.332 v2(82.333,48.376) ; v2(114.478,46.33) 114.702,46.106 114.702,41.33 114.914,41.119 U1.A12@114.914,40.867
  Top Layer w0.381: P4.8@23.876,54.415 v1(23.876,55.88) P4.8@23.876,57.345 P16.16@23.876,59.69
  Mid-Layer 1 w0.152: v2(82.333,48.376) 82.522,48.565 113.741,48.565 114.275,48.031 114.275,46.886 114.374,46.786 114.374,46.434 v2(114.478,46.33)
  Bottom Layer w0.381: P10.8@23.876,53.848 v1(23.876,55.88) P10.8@23.876,57.345
P0.03/AIN1: P2.1 P8.1 P14.2 TP42.1 U1.B13 | length 113.6
  Top Layer w0.152: TP42.1@95.885,25.781 96.69,24.976 96.69,24.369 96.146,23.825 v1(96.081,23.825)
  Top Layer w0.381: P14.2@50.8,3.81 P2.1@50.8,6.155 v1(50.8,7.62) P2.1@50.8,9.085
  Mid-Layer 1 w0.152: v1(101.676,48.014) 101.92,48.258 113.592,48.258 113.97,47.88 113.97,46.724 114.071,46.622 114.071,44.119 114.456,43.735 114.456,41.706 115.164,40.998 v2(115.164,40.367)
  Mid-Layer 2 w0.152: v1(50.8,7.62) 52.553,9.373 64.226,9.373 64.541,9.057 68.912,9.057 72.021,12.167 88.544,12.167 95.462,19.084 95.462,23.275 95.974,23.787 96.119,23.787 96.901,24.569 96.901,27.467 97.663,28.229 97.663,30.532 101.244,34.113 101.244,34.116 101.542,34.414 101.542,35.687 101.552,35.697 101.552,35.704 102.057,36.209 102.057,44.799 101.6,45.256 101.6,47.937 v1(101.676,48.014)
  Bottom Layer w0.381: P8.1@50.8,6.155 v1(50.8,7.62) P8.1@50.8,9.677
P0.04/AIN2: P2.2 P8.2 P14.4 TP43.1 U1.J1 U8.15 | length 96.4
  Top Layer w0.15: U1.J1@111.86,38.319 U1.J1@111.908,38.367
  Top Layer w0.152: U8.15@92.148,22.397 92.148,22.101 92.406,21.843 93.243,21.843 94.64,23.241 95.555,23.241 v1@95.872,22.924 ; TP43.1@95.885,27.686 96.825,26.746 96.825,25.425 96.988,25.262 96.988,23.989 v1@96.037,23.038 ; v1(102.083,35.484) 102.362,35.204 104.168,35.204 105.209,36.246 109.8,36.246 109.979,36.424 109.979,36.426 111.547,37.995 111.547,38.019 111.762,38.233 111.786,38.233 111.86,38.307 U1.J1@111.86,38.319 ; U1.J1@111.908,38.367 U1.J1@111.914,38.367
  Top Layer w0.381: P14.4@53.34,3.81 P2.2@53.34,6.155 v1(53.34,7.62) P2.2@53.34,9.085
  Mid-Layer 2 w0.152: v1(53.34,7.62) 54.788,9.068 64.1,9.068 64.415,8.753 69.038,8.753 72.147,11.862 73.33,11.862 88.671,11.862 95.766,18.957 95.766,22.818 v1(96.012,23.063) ; v1@96.041,23.034 96.612,23.606 96.612,23.853 97.203,24.444 97.203,25.017 97.206,25.019 97.206,27.341 97.968,28.103 97.968,30.405 102.083,34.52 v1(102.083,35.484)
  Bottom Layer w0.381: P8.2@53.34,6.155 v1(53.34,7.62) P8.2@53.34,9.085
P0.05/AIN3: P6.3 P12.3 P17.6 SB51.1 U1.K2 | length 96.3
  Top Layer w0.152: SB51.1@74.912,17.704 75.087,17.704 75.342,17.704 75.672,18.034 76.022,18.034 76.558,18.569 76.558,22.528 v1(76.276,22.809)
  Top Layer w0.381: P6.3@81.28,54.661 v1(81.28,55.88) P6.3@81.28,57.345 P17.6@81.28,59.69
  Mid-Layer 1 w0.152: v1@100.432,37.694 102.417,37.694 103.865,36.246 109.8,36.246 111.672,38.117 v2(112.414,38.117)
  Mid-Layer 2 w0.152: v1(76.276,22.809) 75.082,22.809 72.796,25.095 72.796,37.592 v1(72.669,37.719) 72.669,38.042 75.692,41.065 75.692,49.936 81.28,55.524 v1(81.28,55.88)
  Bottom Layer w0.152: v1(72.669,37.719) 72.771,37.617 78.486,37.617 80.289,35.814 85.227,35.814 86.091,36.678 87.655,36.678 88.214,36.119 98.026,36.119 99.626,37.719 v1(100.406,37.719)
  Bottom Layer w0.381: P12.3@81.28,54.415 v1(81.28,55.88) P12.3@81.28,57.345
P0.06: P6.4 P12.4 P17.8 SB53.1 U1.L1 | length 91.5
  Top Layer w0.15: 109.804,35.941 109.925,35.941 110.282,36.299 110.282,36.3 111.85,37.867 U1.L1@111.914,37.867
  Top Layer w0.152: v1(99.847,37.186) 100.627,37.186 101.244,36.568 101.244,35.33 101.675,34.9 104.294,34.9 105.335,35.941 109.804,35.941
  Top Layer w0.203: v1(72.459,20.897) 72.459,21.288 SB53.1@72.459,21.641
  Top Layer w0.381: P6.4@78.74,54.415 v1(78.74,55.88) P6.4@78.74,57.345 P17.8@78.74,59.69
  Mid-Layer 2 w0.152: v1(72.459,20.897) 72.492,20.93 72.492,36.805 v1(72.136,37.16) 72.136,37.94 75.387,41.191 75.387,50.063 78.74,53.415 v1(78.74,55.88)
  Bottom Layer w0.152: v1(72.136,37.16) 73.339,37.16 73.491,37.313 78.351,37.313 80.155,35.509 85.353,35.509 86.217,36.373 87.529,36.373 88.088,35.814 98.153,35.814 99.524,37.186 v1(99.847,37.186)
  Bottom Layer w0.381: P12.4@78.74,54.415 v1(78.74,55.88) P12.4@78.74,57.345
P0.07: P6.5 P12.5 P17.10 P25.12 U1.M2 U8.1 | length 92.9
  Top Layer w0.152: P25.12@78.74,34.245 v1(78.74,36.17) ; U8.1@92.773,23.022 93.99,23.022 94.743,23.774 v1(94.844,23.774)
  Top Layer w0.381: P6.5@76.2,54.61 v1(76.2,55.88) P6.5@76.2,57.345 P17.10@76.2,59.69
  Mid-Layer 1 w0.152: v1(100.406,36.652) 103.031,36.652 103.742,35.941 109.927,35.941 111.603,37.617 v2(112.414,37.617)
  Mid-Layer 2 w0.152: v1(71.603,36.601) 71.603,37.897 75.082,41.377 75.082,50.189 76.2,51.306 v1(76.2,55.88) ; v1(94.844,23.774) 94.844,24.544 95.987,25.687 95.987,27.846 96.749,28.608 96.749,30.91 99.009,33.171 99.009,36.035 99.626,36.652 v1(100.406,36.652)
  Bottom Layer w0.152: v1(71.603,36.601) 73.211,36.601 73.618,37.008 77.579,37.008 79.382,35.204 85.479,35.204 86.343,36.068 87.403,36.068 87.962,35.509 98.279,35.509 99.422,36.652 v1(100.406,36.652)
  Bottom Layer w0.381: P12.5@76.2,54.415 v1(76.2,55.88) P12.5@76.2,57.345